# KiCad board pcb.kicad_pcb (continued)
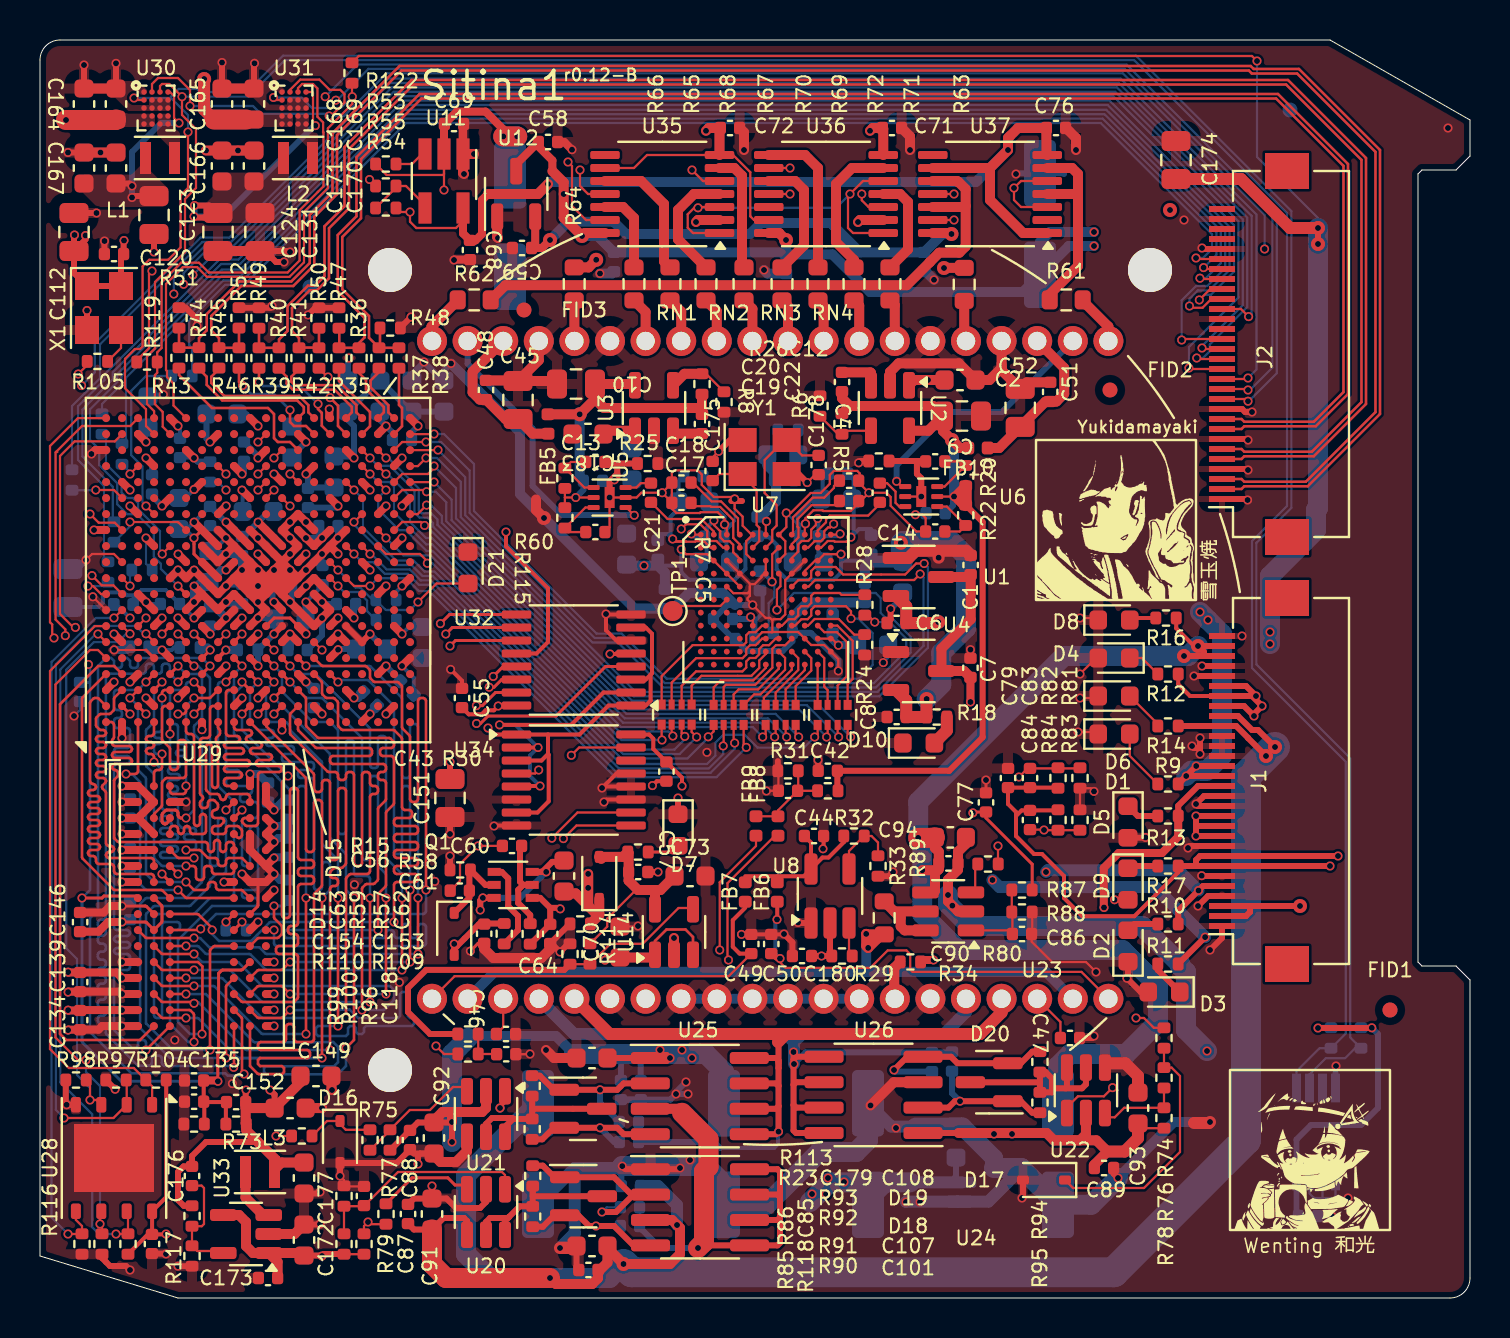
[diagram p0: board, top side]
## Routing (per net, layer and track width the routed paths; a pad name or vN(x,y) marks a point on that pad's centre or on a via; arc(x,y) is an arc through that point) (continued)
/ccd_driver_v/V2S: length 9.2
  Top w0.3: 24.61,9.46 D19.3 ; 24.61,9.46 R93.2 ; 24.61,9.46 R92.1 23.65,8.95 ; 23.25,7.85 23.25,8.55 23.65,8.95 ; 23.65,8.95 23.61,9 22.6,9 22.3,8.7 22.3,7.85
/ccd_driver_v/V23: length 9.7
  Top w0.3: D18.3 24.64,5.09 R91.2 R90.1 23.98,4.58 23.45,4.05 ; 23.45,4.05 23.4,4 22.5,4 22.3,3.8 22.3,2.95 ; 23.45,4.05 23.25,3.85 23.25,2.95
/fpga_power/VCCPLL: length 8.6
  Top w0.4: 8.1,34.4 7.7,34 v1(7.7,34)
  Bottom w0.2: 4.81,35.14 4.69,35.01 4.69,34.68 ; 4.81,35.14 4.32,35.14 4.18,35.28 3.3,35.28 3.14,35.12 3.14,34.77 2.93,34.55 C114.2 ; 4.81,35.14 5.07,35.4 6.28,35.4 C113.2 7,34.7 v1(7.7,34)
GND: length 471.3
  Top w0.1: 3.68,32.39 3.68,32.38 3.67,32.37 arc(3.7,32.39) 3.74,32.4 5.3,32.4
  Top w0.11: v3(35.63,34.65) 35.53,34.65 35.48,34.6 ; v3(35.63,34.65) 36.28,34.01 36.5,34.01 36.62,33.89 ; v3(35.63,34.65) 35.37,34.91 35.37,34.99 35.49,35.11 ; C179.1 24.49,12.19 v1(24.5,12.2) ; v1(2.64,35.06) U27.A8 ; D6.1 52.81,30 v1(52,30) ; 35.49,35.55 35.49,35.72 U7.D4 U7.C3 ; 35.49,35.55 35.49,35.35 ; 35.49,35.55 35.49,35.11 ; U7.E3 34.67,35.24 35.38,35.24 35.49,35.35 ; 36.6,33.29 36.11,33.29 35.79,32.97 U7.J5 ; 36.6,33.29 36.61,33.3 37.91,33.3 U7.J9 38.56,32.65 39.21,32.65 U7.K11 39.92,31.94 v1(39.92,31.36) ; 36.6,33.29 36.62,33.31 36.62,33.89 ; 36.62,33.89 36.67,33.94 37.02,33.94 37.26,34.18 37.26,35.9 37.59,36.22 U7.D8 37.6,36.22 38.24,36.86 U7.C9 ; v1(15,6.1) 15.2,5.9 R86.1 15.23,5.58 C85.1 ; R31.2 36.92,26.33 C43.2 36.33,25.36 v1(36.32,25.35) ; U7.C6 U7.D6 36.21,36.22 36.08,36.09 36.08,36.04 35.73,35.69 35.53,35.69 ; 35.49,35.11 35.49,35.35 ; v1(51.9,28.3) 52.81,28.3 D1.1 ; U27.B11 3.7,37.2 2.6,37.2 v1(2.3,36.9) ; v1(16.48,55.92) 16.78,55.62 R55.2 ; v1(29.9,18.6) 29.88,18.58 C70.2 ; v1(52,34) 52.81,34 D8.1 ; v1(52,31.2) 52.8,32 D4.2 ; 57.25,53.95 v1(57.2,53.9) ; R88.1 49.61,18.23 C86.1 49.58,17.82 50.6,16.8 52.3,16.8 v1(52.8,16.3) ; R83.2 R81.2 52.54,25.49 v1(52.7,25.33)
  Top w0.15: v1(4.1,19.6) 5.26,19.6 arc(5.3,19.59) 5.33,19.57 5.7,19.2 ; 5.7,32 5.3,32.4 ; C63.2 21.9,17.73 v1(21.52,17.35) ; 5.7,34.4 4.9,35.2 ; C77.1 v1(47.3,25.9) ; 10.9,20.8 10.9,19.64 arc(10.89,19.6) 10.87,19.57 10.5,19.2
  Top w0.2: C55.2 21.1,30.86 v1(20.53,31.43) ; U32.8 28.32,34.18 v1(28.3,34.2) 28.3,33.39 28.81,32.88 U32.6 ; v1(22.7,23.6) 22.72,23.62 U34.8 ; v1(35.07,18.18) C49.2 C50.2 37.18,18.18 v1(37.2,18.2) ; U34.12 28.18,25.58 v1(28.1,25.5) 28.82,26.23 U34.13 ; v1(39.15,22.46) 39.18,22.49 C44.1 ; U34.11 28.32,24.93 v1(28.2,24.8) ; v1(30.62,25.62) 30.84,25.84 C57.2
  Top w0.3: v1(57.7,31.1) J1.26 ; 26.94,1.3 26.82,1.41 26.82,2.5 ; v1(30.9,21.3) C56.1 ; D2.1 54.4,16.04 v1(54.35,15.99) 55.03,15.3 D3.2 ; v1(3.22,52.85) 3.22,52.84 C120.1 ; v1(57.9,19.6) 58.4,20.1 J1.4 ; v1(42.53,34.45) 42.53,33.93 C6.2 ; v1(32,6.5) 31.94,6.44 U24.1 29.27,6.44 v1(29.11,6.59) ; J1.14 58.2,25.1 v1(57.8,24.7) 57.9,24.6 J1.13 ; v1(1.33,9.66) 1.33,9.66 U28.4 1.33,9.66 1.29,9.7 R98.1 ; C168.2 v1(9.1,61.78) ; v1(55.28,23.03) 55.26,23.01 D5.2 ; 58,27.5 v1(58,28) ; 58,27.5 v1(58,27.2) ; 58,27.5 57.7,27.5 v1(57.6,27.6) ; J2.7 60.35,42.95 v1(60.4,42.9) ; v1(37.9,18.78) 37.93,18.75 U8.1 ; C124.2 11.25,52.35 11.8,51.8 v1(12.2,51.8) ; C123.2 v1(5.7,52.3) ; v1(53.72,19.91) D9.2 ; v1(40.93,41.76) 41.02,41.85 R26.2 ; v1(11.7,33.2) 12.1,33.6 U27.M7 ; R58.2 v1(20.5,22.1) ; C165.2 v1(3.8,61.73) ; v1(18.55,49.05) 18.02,48.52 R48.1 ; U27.K5 v1(10.9,31.6) ; C91.1 20.32,4.97 20.8,4.5 22,4.5 22.3,4.8 22.3,5.65 ; C91.1 v1(19.6,5.6) ; C91.1 18.69,4.97 C87.1 ; X1.2 v1(2.35,49.38) ; v1(14,5.3) 13.93,5.22 C177.2 ; v1(58.5,17.4) 59.1,18 J1.1 ; J2.1 60.33,39.95 v1(60.38,39.9) ; v1(52.7,13.1) 52.6,13 C47.2 ; D7.1 v1(31.9,25) ; J2.26 58.15,52.45 v1(58.1,52.5) ; C118.1 6.28,2.22 v1(6.3,2.2) ; C180.1 37.62,17.78 v1(37.2,18.2) ; v1(1.4,57.28) C167.2 v1(3.03,57.28) C166.2 ; C151.2 v1(20.5,23.2) ; v1(13.4,49.15) 13.76,49.51 13.9,49.51 ; J2.10 60.1,44.45 60.25,44.3 v1(60.6,44.3) ; J1.6 58.1,21.1 v1(58.08,21.12) ; v1(18.9,6.7) 18.9,7.12 19,7.22 C92.2 18.69,7.22 C88.2 17.83,6.75 D16.2 v1(15,6.1) ; v1(16.5,33.2) 16.1,32.8 U27.U6 U27.T7 ; v1(12.5,52.3) 12.45,52.35 C131.2 ; v1(49.1,5) 49.15,5.05 D17.2 ; C112.1 v1(2.82,54.25) ; v1(6.9,1.59) R117.1 ; C7.2 v1(46.52,32.42) ; C172.2 13.97,3.68 v1(14,3.7) ; v1(10.72,61.73) 10.7,61.71 C169.2 ; 36.89,26.84 R31.2 ; J2.4 60.35,41.45 v1(60.4,41.4) ; v1(11.6,49.6) 11.51,49.51 9.9,49.51 9.89,49.52 ; v1(53.9,6) 53.68,6.22 C89.2 ; v1(58.1,31.6) J1.27 ; C164.2 v1(2.2,61.65) ; v1(7.85,48.6) 7.85,48.95 7.28,49.52 R51.1 ; C42.2 38.91,26.89 ; J1.9 57.5,22.6 v1(57.4,22.5) ; v1(42.65,21.3) 42.44,21.09 R33.2 ; 26.6,18.7 26.49,18.7 C62.1 25.58,17.72 v1(26,17.3) 26.41,17.71 R115.1 ; R47.1 R50.1 ; v1(3.76,10.44) 3.29,10.9 R97.1 ; R100.1 3.1,2 3.5,1.6 4.3,1.6 v1(4.5,1.4)
  Top w0.4: 10.1,35.6 v1(10.9,36.4) ; 10.1,35.6 10.5,35.2 ; 10.1,35.6 9.7,36 ; v1(10.9,36.4) 10.5,36.8 ; v1(10.9,36.4) 11.3,36 ; 4.9,16.8 v1(4.1,16.8) ; 11.3,35.2 11.7,35.6 ; 11.3,35.2 10.5,35.2 ; 11.3,35.2 11.3,36 ; 11.3,35.2 v1(10.9,35.6) ; 11.3,35.2 v1(10.9,34.8) ; 11.7,35.6 v1(10.9,35.6) ; 11.7,35.6 12.1,35.2 ; 11.7,35.6 12.5,35.6 ; 11.7,35.6 12.1,36 ; 10.5,35.2 10.5,36.8 ; 10.5,35.2 v1(10.9,34.8) ; 10.5,35.2 v1(10.9,35.6) ; 10.5,36.8 v1(10.1,36.4) ; 10.5,36.8 9.7,37.6 ; v1(7.7,40.43) 7.72,40.43 8.1,40.8 ; 11.3,36 12.1,36 ; 11.3,36 9.7,36 ; 11.3,36 v1(10.9,35.6) ; 11.3,36 v1(11.7,36.4) ; 12.1,36 v1(12.5,36.4) ; 12.1,36 v1(11.7,36.4) ; 12.1,36 12.1,35.2 ; 12.1,36 12.9,36 ; 4.9,35.2 v1(5.3,34.8) U27.D8 ; U29.T1 3.1,13.6 2.92,13.42 C134.2 1.42,13.42 v1(1.4,13.4) ; 18.5,32 v1(18.1,31.6) ; 7.3,30.4 v1(6.9,30) ; 12.1,28.8 v1(12.1,28.4) ; 14.5,37.6 v1(13.3,36.4) 12.9,36 ; 14.5,37.6 v1(14.9,37.2) ; 14.5,37.6 v1(14.9,38) 15.3,38.4 ; v1(10.1,40.4) 10.1,40.4 10.5,40 ; 9.7,36 v1(9.3,35.6) 8.9,35.2 8.1,36 ; 9.7,36 v1(10.1,36.4) ; v1(10.9,35.6) v1(10.1,36.4) ; 12.1,36.8 v1(12.5,36.4) ; 12.1,36.8 v1(12.5,37.2) 12.9,37.6 v1(12.5,38) 12.1,38.4 v1(12.5,38.8) 12.9,39.2 v1(13.3,38.8) 13.7,38.4 ; 12.1,36.8 v1(10.9,38) 10.5,38.4 ; 12.1,36.8 v1(11.7,36.4) ; v1(12.5,36.4) 12.9,36 ; v1(12.5,36.4) v1(11.7,36.4) ; v1(12.5,36.4) 12.5,35.6 ; 6.5,36 v1(6.9,36.4) U27.F10 v1(7.7,36.4) U27.G10 ; 12.5,35.6 12.9,36 ; 12.5,35.6 12.1,35.2 ; 12.1,35.2 v1(12.5,34.8) 13.7,33.6 14.5,34.4 v1(14.1,34.8) 13.7,35.2 ; 3.3,42.4 2.77,42.4 v1(2.57,42.2) ; 9.7,37.6 v1(9.3,37.2) 8.9,36.8 8.1,37.6 ; 9.7,37.6 v1(9.3,38) 8.9,38.4 ; 11.3,42.4 v1(10.9,42) ; 16.9,35.2 v1(17.3,35.6) ; U11.1 21.15,58.67 C69.2 ; 11.3,13.6 v1(11.7,13.6) ; C146.2 3.18,19.28 3.51,19.6 v1(4.1,19.6) ; v1(1.4,15.3) 1.42,15.32 C139.2 3.98,15.32 v1(4.1,15.2) 4.9,15.2 ; 11.3,21.6 10.5,22.4 10.5,23.2 ; 11.3,21.6 v1(11.7,22) ; 11.3,21.6 v1(11.7,21.2) 11.3,20.8 10.5,20.8 v1(10.1,21.2) ; 8.9,33.6 v1(9.3,34) 9.7,34.4 ; 5.7,41.6 v1(5.3,42) ; v1(10.9,34.8) 11.3,34.4 v1(10.9,34) 10.5,33.6 ; 12.9,31.2 v1(13.3,30.8) ; 11.3,16.8 v1(11.7,16.8) ; 16.9,43.2 v1(17.3,43.6) ; 8.9,43.2 v1(8.5,42.8) ; 9.7,29.6 v1(10.1,30) ; 15.3,30.4 v1(15.7,30) ; 11.3,15.2 v1(11.7,15.2) ; v1(26.6,57.42) 26.22,57.8 C58.2 ; v1(20.7,51.9) 20.72,51.92 C68.2 ; 4.9,31.2 v1(4.5,30.8) ; 6.5,44 v1(6.9,43.6) ; 4.1,28.8 v1(4.1,28) ; 14.5,44 14.46,44.04 v1(14.46,44.45) ; 4.9,24.8 4.11,24.8 v1(4.1,24.8) ; 13.7,41.6 v1(13.3,41.2) ; 5.7,22.4 v1(4.1,22.4) ; 16.1,40.8 v1(16.5,40.4) ; 11.3,25.6 11.3,24.8 v1(11.7,24.4) ; 6.5,24.8 v1(7.3,24.8) ; 18.5,40 v1(18.1,39.6) ; 4.9,20.8 v1(4.1,20.8) ; v1(4.1,23.2) 4.9,23.2 ; 4.9,39.2 v1(4.5,39.6) ; 17.7,37.6 v1(18.1,38) ; 17.7,29.6 v1(17.3,29.2) ; 7.3,33.6 v1(6.9,34)
  Top w0.5: 48.08,46.7 48.08,46.5 ; 48.08,46.5 47.48,45.9 C2.2 45.94,46.73 42.94,46.73 42.5,46.3 U2.2 ; 48.08,46.5 48.08,46.38 C52.2 49.34,45.78 C51.2 ; 48.08,46.5 U10.17 ; v1(51.8,57.4) 51.8,58 51.3,58.5 C76.1 ; v1(35.2,57.4) 35.2,58.28 C72.1 ; C164.2 C165.2 ; v1(21.7,57.2) U11.1 21.15,56.25 v1(21.2,56.2) ; C152.2 14.1,9.5 v1(14.1,9.5) ; v1(41.53,9.63) 42.69,10.79 U26.3 ; C62.1 25.51,17.44 25.06,17 22.66,17 22.21,17.46 C63.2 ; C149.2 14.57,10.43 v1(14.6,10.4) ; v1(8.3,57.38) C171.2 v1(9.9,57.38) C170.2 ; U14.2 v1(31.7,18) ; C124.2 C131.2 ; C45.2 23.87,45.88 C48.2 ; C45.2 25.7,45.85 C10.2 ; C45.2 24.94,46.89 U10.4 ; C108.2 25.7,12 v1(25.3,12.4) ; U12.1 22.86,53.04 v1(22.9,53) ; 21.35,7.85 21.35,7.35 20.8,6.8 20.03,6.8 19.6,7.22 ; C168.2 C169.2 ; C71.1 43.5,58.08 v1(43.5,57.4) ; U33.2 12.72,3.2 C172.2 ; v2(25.2,39) 24.8,39.4 24.8,39.93 ; C166.2 C167.2
  Top w0.6: 44.93,37.36 v1(44.93,37.02) ; 44.93,37.36 43.78,37.36 43.42,37 U1.1 ; 44.93,37.36 46.3,37.36 C1.2 ; v1(26,2.5) 26.82,2.5 ; 57.7,8.75 58.45,8.75 v1(58.5,8.8) ; C93.2 54.9,11.1 54.27,11.73 53.25,11.73
  In1.Cu w0.5: v1(35.07,18.18) 35.62,17.64 U10.31
  In1.Cu w1: U10.28 40.91,14.91
  Bottom w0.11: 64.2,5 64.12,5 U9.6 ; 64.2,5 64.8,5 ; 64.2,5 63.7,5 63.47,5.22 U9.7 ; U9.5 64.78,5.03 64.8,5 ; 64.8,5 v1(65.4,5) ; C181.1 v1(64.6,4.1) ; C35.1 42.41,32.01 v1(42.16,31.77) ; v1(1.7,29.1) 2,29.4 C141.2
  Bottom w0.2: C125.2 8.68,38.62 v1(9.3,38) 8.65,37.35 C129.2 ; C128.2 7.28,40 v1(7.7,40.43) ; v1(11.7,33.2) 11.72,33.23 C121.2 10.95,33.95 v1(10.9,34) ; C145.2 18.69,31.01 v1(18.1,31.6) 18.5,32 C163.2 ; v1(10.1,40.4) 10.13,40.37 C122.2 ; v1(6.17,45.17) 5.49,45.17 C160.2 ; C158.2 7,43.5 v1(6.9,43.6) ; v1(5.3,34.8) 5.4,34.7 C113.1 ; 14.12,36.62 14.12,37.18 v1(14.1,37.2)
  Bottom w0.3: v1(14.1,34) 14.1,33.14 C110.1 ; v1(64.8,11.6) 64.78,11.58 U9.4 ; v1(48.8,56.2) 48.84,56.24 C53.2 51.16,56.24 51.2,56.2 ; C119.2 v1(14.9,38) ; v1(10.9,31.6) 10.89,31.61 R107.1 10.91,32.41 v1(11.7,33.2) ; v1(31.8,10.2) 31.52,9.92 C105.2 C102.1 ; v1(31.8,10.2) 31.8,10.3 v1(32.3,10.8) ; v1(31.8,10.2) v1(32.4,10.2) ; v3(35.63,34.65) 34.75,34.65 34.74,34.65 34.38,34.65 C33.1 34.67,32.95 C27.1 35.36,32.35 37.13,32.35 37.62,32.84 C28.1 38.54,33.25 39.92,31.88 v1(39.92,31.36) ; C114.1 1.85,36.45 v1(2.3,36.9) ; C184.2 17,43.9 v1(17.3,43.6) 17.62,43.28 C156.2 ; C148.2 17.25,32.45 v1(16.5,33.2) ; v1(29.11,6.59) 29.07,6.55 C104.1 ; v1(20.55,46.73) 20.2,46.38 C133.2 20.12,45.88 v1(19.2,46.8) 18.6,46.2 C132.2 ; v1(10.9,42) 10.9,42.1 C159.2 ; v1(14.1,34.8) 14.2,34.7 C162.2 ; C111.1 8.32,42.98 v1(8.5,42.8) ; C161.2 5.6,41.7 v1(5.3,42) ; C30.1 43.13,35.05 v1(42.53,34.45) ; v1(9.3,35.6) 9.38,35.68 C126.2 ; v1(13.3,41.2) 13.4,41.1 C155.2 13.44,40.53 C130.2 ; C185.2 15.4,46.95 v1(15.45,47) ; C127.2 12.58,34.88 v1(12.5,34.8)
  Bottom w0.4: R111.1 12,20.9 v1(11.7,21.2) ; 8.5,34.58 8.72,34.58 v1(9.3,34) ; C140.2 11.7,24.5 v1(11.7,24.4) 12.2,24.9 C147.2 ; 39.66,34.77 39.63,34.75 C34.1 ; v1(13.3,30.8) 13.7,30.4 ; v1(3.7,32.41) 4.32,32.41 C138.2 ; C126.2 10.1,35.68 v1(10.1,36.4) 10.1,37.11 C116.2 10.02,37.2 v1(9.3,37.2) 8.6,37.2 C129.2 ; v1(15.7,30) 15.91,30 16.17,30.25 ; C137.2 11.74,22.04 v1(11.7,22)
  Bottom w0.5: 34.74,34.65 34.14,35.25 32.44,35.25 31.66,34.47 C32.1 29.73,34.47 v2(25.2,39) 24,40.2 24,43.3 22.31,44.98 22.29,44.98 v1(20.55,46.73) ; v1(36.2,51.4) 36.38,51.22 C67.2 ; v1(28,51.22) 28.6,51.22 C66.2 ; v1(53.9,6) 56.7,8.8 v1(58.5,8.8) ; v1(44.7,50.91) 44.29,51.32 C65.2 ; C31.1 38.36,34.77 37.62,34.03 C28.1 ; U10.28 U10.33
  Bottom w0.6: 45.9,4.82 C106.2 47.42,4.82 49.08,6.48 ; 45.9,4.82 C103.1 ; 45.9,4.82 43.32,4.82 v1(43.3,4.8) ; v1(26,2.5) 26.74,3.24 26.74,6.5 ; 26.74,6.5 C81.2 ; 26.74,6.5 30.2,6.5 ; C78.1 42.56,8.58 C109.2 ; 30.2,6.5 v1(32,6.5) ; 30.2,6.5 30.22,6.48
  Bottom w0.9: 47.7,6.5 47.7,7 46.12,8.58 43.8,8.58
  Bottom w1: v1(53.9,6) 52.56,4.66 C82.2 49.06,6.5 47.7,6.5 ; v1(29.11,6.59) 29.12,6.6 33.3,6.6 34.2,5.7 C80.1 36.32,4.66 38.98,7.32 39,7.3 40.8,7.3 41.4,7.9 C78.1 ; 23.81,51.77 23.86,51.82
  vias: v1(4.1,13.6) v1(6.74,12.9) v1(9.62,10.72) v1(15.72,20.67) v1(17.97,15.78) v1(19.74,20.83) v1(32.5,6.9) v1(33.35,27.28) v1(38.9,26.9) v1(42.8,8.5) v1(44,4.8) v1(60.1,33.1) v1(70.4,58.5)
V1_CCD: length 44.3
  Top w0.3: U26.7 37.8,9.52 37.68,9.65 ; 37.68,9.65 37.68,8.38 37.8,8.25 U26.8 ; 37.68,9.65 37.68,10.66 ; 37.68,10.66 37.68,11.56 ; 37.68,10.66 37.8,10.79 U26.6 ; 37.68,11.56 v1(37.68,12.3) ; 37.68,11.56 37.68,11.93 37.8,12.06 U26.5
  Bottom w0.3: v1(37.7,11.7) 38.28,12.28 C99.1 45.58,12.28 C100.2
  Bottom w0.6: 37.7,12.8 37.3,13.2 37.2,13.2 ; 37.7,12.8 38.1,13.2 ; 37.7,12.8 v1(37.7,11.7) ; U10.25 46.3,14.3 45.21,13.2 38.1,13.2 ; 37.2,13.2 26.7,13.2 U10.37 ; 37.2,13.2 38.1,13.2
V2_CCD: length 45.1
  Top w0.3: 35.4,8.19 36.8,8.19 v1(36.93,8.32) 36.93,9.59 ; 36.9,12.8 36.93,12.77 36.93,11.5 ; 36.93,11.5 36.93,10.6 ; 36.93,11.5 36.93,11.87 36.8,12 35.4,12 ; 36.93,9.59 36.8,9.46 35.4,9.46 ; 36.93,9.59 36.93,10.6 ; 36.93,10.6 36.8,10.73 35.4,10.73
  Top w0.6: 38.2,13.2 47,13.2 48.08,14.28 U10.24 ; 38.2,13.2 28.48,13.2 U10.36 ; 38.2,13.2 37.3,13.2 36.9,12.8
  Bottom w0.11: 30.12,8.8 29.7,8.8
  Bottom w0.2: v1(36.93,8.32) 36.9,8.29 36.9,7.7 36.7,7.5 34,7.5
  Bottom w0.3: C98.2 C97.1 33.7,7.8 34,7.5
+DRAM_VREF: length 57.3
  Top w0.11: U27.P6 v1(14.1,32.4) ; v1(9.3,33.2) 8.9,32.8 U27.H6
  Top w0.15: 4.9,20 4.8,20.1 3.2,20.1 3.1,20 v1(2.1,20) ; 10.5,16.8 10.13,16.43 arc(10.1,16.41) 10.06,16.4 9.14,16.4 arc(9.1,16.39) 9.07,16.37 8.93,16.23 8.93,12.21 8.89,12.17 8.89,10.84 v1(8.89,10.84)
  Top w0.2: R110.1 8.21,9.79 C154.1 ; R109.2 9.29,9.77 C153.2 8.2,9.8 C154.1 ; C154.1 C135.1
  Top w0.4: C135.1 8.85,10.88 v1(8.89,10.84)
  In2.Cu w0.11: v1(14.1,32.4) 13.71,32.01 9.88,32.01 9.69,32.19
  In2.Cu w0.127: v1(9.3,33.2) 9.69,32.81 9.69,32.19 9.5,32 4.3,32 4.1,31.8
  In2.Cu w0.15: v1(2.42,31.68) 2.5,31.6 3.88,31.6 arc(3.91,31.61) 3.93,31.63 4.1,31.8
  Bottom w0.127: 2.5,30.8 2.5,20.4 v1(2.1,20) ; 2.5,30.8 2.5,31.6 v1(2.42,31.68) ; 2.5,30.8 2.48,30.78 C141.1 2.38,30.78
  Bottom w0.15: 4.07,10.83 2.13,12.77 arc(2.11,12.8) 2.1,12.84 v1(2.1,20) ; v1(8.89,10.84) 4.08,10.84
+VAB: length 11.6
  Top w0.11: R114.2 28.36,18.57 28.36,18.97 29.79,20.4 29.9,20.4
  Top w0.15: C56.2 29.39,21.34 R15.2
  Top w0.5: U14.5 30.75,20.35 30.7,20.4 ; 30.7,20.4 29.9,20.4 29.43,20.87 C56.2 29.43,22.26 R15.2 29.14,22.05 D15.2 28.06,21.96 ; 30.7,20.4 31.03,20.4 C73.1
/afe/CLI: length 5.8
  Top w0.11: 35.03,41.2 35.83,40.4 35.83,38.65 35.96,38.52 35.96,37.84 U7.B5 ; Y1.1 33.96,41.2 C175.2
/afe/CSI_D2_pre: length 7.9
  Top w0.11: U7.H6 36.1,33.62 35.77,33.29 35.46,33.29 35.31,33.14 35.31,32.79 35.17,32.64 32.63,32.64 31.08,31.09 RN1.8
/afe/CSI_D3_pre: length 6.9
  Top w0.11: U7.J6 36.11,32.97 35.79,32.64 35.5,32.64 35.31,32.45 35.31,32.18 35.13,31.99 32.8,31.99 31.58,30.77 RN1.7
/afe/CSI_D4_pre: length 5.6
  Top w0.11: U7.K6 36.29,32.2 35.96,31.88 35.96,31.5 35.57,31.11 33.07,31.11 32.58,30.62 RN1.5
/afe/CSI_D5_pre: length 4
  Top w0.11: RN2.8 33.68,30.53 34.03,30.88 35.66,30.88 36.29,31.51 U7.L6
/afe/CSI_D6_pre: length 3.7
  Top w0.11: RN2.6 34.68,30.18 34.93,30.43 35.91,30.43 36.94,31.46 U7.L7 36.94,31.48
/afe/CSI_D7_pre: length 3.8
  Top w0.11: U7.K7 37.25,32 37.25,31.41 36.02,30.18 35.71,30.18 RN2.5
/afe/CSI_D8_pre: length 7.1
  Top w0.11: RN1.6 32.08,30.61 32.8,31.33 35.12,31.33 35.31,31.52 35.31,31.83 35.48,32 35.77,32 35.96,32.19 35.96,32.45 36.15,32.64 36.45,32.64 36.78,32.97 U7.J7
/afe/CSI_D9_pre: length 5.3
  Top w0.11: 41.13,35.15 40.08,35.15 39.99,35.25 38.7,35.25 38.56,35.12 38.56,34.75 38.4,34.59 38.06,34.59 37.91,34.44 37.91,34.13 37.72,33.94 37.42,33.94 37.1,33.62 U7.H7
/afe/CSI_D10_pre: length 2.6
  Top w0.11: RN3.8 36.19,29.75 36.19,30.02 37.59,31.42 U7.L8
/afe/CSI_D11_pre: length 3.3
  Top w0.11: U7.K8 37.91,32 37.91,31.4 36.78,30.27 RN3.7
/afe/CSI_D12_pre: length 5.9
  Top w0.11: RN2.7 34.18,30.55 34.29,30.66 35.76,30.66 36.62,31.52 36.62,32.47 36.79,32.64 37.26,32.64 U7.J8
/afe/CSI_D13_pre: length 2.5
  Top w0.11: 38.24,31.59 U7.L9 38.24,31.39 37.28,30.44 RN3.6
/afe/CSI_D14_pre: length 3.1
  Top w0.11: RN3.5 37.78,30.59 38.56,31.37 38.56,32 U7.K9
/afe/CSI_D15_pre: length 2.9
  Top w0.11: RN4.7 39.38,30.39 39.21,30.56 39.21,32 U7.K10
/afe/CSI_DCLK_pre: length 2
  Top w0.11: RN4.8 38.88,31.59 38.89,31.6 U7.L10
/afe/CSI_HD_pre: length 4.7
  Top w0.11: U7.H11 39.87,33.62 40.63,32.86 40.63,30.95 40.38,30.7 RN4.5
/afe/CSI_VD_pre: length 5.1
  Top w0.11: RN4.6 39.88,30.62 40.33,31.08 40.33,32.81 39.85,33.29 39.22,33.29 U7.H10
/ccd/VOD: length 7.7
  Top w0.2: C44.2 38.55,22.77 U8.5 ; U8.5 39.12,22.03 39.43,22.03 40.19,22.79 R32.1 ; U8.5 38.19,21.09 35.26,21.09
/ccd/VOGL: length 20.2
  Top w0.11: U10.40 20.73,16.09 34.43,16.09 C49.1
  Top w0.2: C49.1 34.98,17.22 34.64,17.56 34.64,18.89 35.26,19.51
/ccd/VOGR: length 22.2
  Top w0.11: U10.21 52.07,16.3 43.63,16.3 43.51,16.42 43.51,17.19 43.32,17.38 42.38,17.38 41.51,16.5 37.28,16.5 C50.1
  Top w0.2: C50.1 36.81,16.97 v1(37,16.97) ; v1(36.85,18.93) 36.86,18.94 36.86,19.51
  Bottom w0.2: v1(37,16.97) 36.76,17.21 36.76,18.84 v1(36.85,18.93)
/ccd/VRDL: length 20.2
  Top w0.11: v1(33.99,17.4) 33.99,20.79 35.8,22.6 FB9.2 ; C46.1 23.16,13.54 U10.38
  In2.Cu w0.11: v1(33.99,17.4) 32.89,16.3 31.29,16.3
  In2.Cu w0.13: U10.38 24.5,16.3 31.29,16.3
/ccd/VRDR: length 26.6
  Top w0.11: FB8.2 36.75,23.12 34.38,20.74 34.38,16.95 v1(34.43,16.9) ; C47.1 51.02,13.8 U10.23
  In2.Cu w0.13: v1(34.43,16.9) 34.92,16.4 49.31,16.4 49.86,15.85 U10.23
/ccd_driver/H1BINL: length 8.4
  Top w0.3: 32.88,53.88 v1(32.8,53.8)
  Top w0.5: v2(27.81,51.91) 27.43,51.53 R64.1 ; v1(32.8,53.8) 32.9,53.9 U35.2
  In2.Cu w0.5: v2(27.81,51.91) 29.7,53.8 v1(32.8,53.8)
/ccd_driver/H1BINR: length 7.9
  Top w0.5: U36.2 41,53.9 v1(40.9,53.8) ; R63.1 45.2,51.5 v2(45.2,51.5)
  In2.Cu w0.5: v2(45.2,51.5) 45.2,52.1 43.5,53.8 v1(40.9,53.8)
/ccd_driver/H1BL: length 5.9
  Top w0.5: U35.4 32.7,55.2 31.9,54.4 31.9,52.93 R68.1
/ccd_driver/H1BR: length 7.7
  Top w0.5: R69.1 38.9,56.5 38.25,57.15 U36.8
/ccd_driver/H1BRS: length 50.7
  Top w0.11: U34.4 24.76,26.23 v1(24.94,26.4) ; U36.9 v1(37.5,56.5)
  In2.Cu w0.11: 37.2,56.5 36.7,56.5 30.4,50.2 20.3,50.2 19.75,49.65 19.7,49.65 17.98,47.92 17.98,46.86 18.7,46.14 19.54,46.14 23.69,41.99 23.69,32.99 23.37,32.67 23.37,27.97 v1(24.94,26.4) ; 37.2,56.5 v1(37.5,56.5) ; 37.2,56.5 37.37,56.5 37.39,56.52
/ccd_driver/H1S: length 79.7
  Top w0.11: v1(27,56.4) 27,55.6 27.4,55.2 U35.11 ; U36.5 41.15,55.85 v1(40.5,55.2) 40.4,55.1 40.4,53.5 40.65,53.25 U36.1 ; U35.3 32.9,54.55 ; 32.9,54.55 32.75,54.55 32.38,54.19 32.38,53.52 32.65,53.25 U35.1 ; 32.9,54.55 v1(32.9,54.51)
  Top w0.15: U32.15 22.78,30.28 22.12,29.62 v1(21.82,29.62)
  In2.Cu w0.11: v1(21.82,29.62) 21.61,29.83 21.61,42.2 19.19,44.62 17.19,44.62 16.3,45.51 16.3,47.51 14.02,49.79 14.02,52.76 17.26,56 20.85,56 21.04,55.81 21.36,55.81 21.55,56 23.5,56 23.9,56.4 v1(27,56.4) 31.8,56.4 32.2,56 35.1,56 36.38,57.28 39.02,57.28 40.5,55.8 v1(40.5,55.2)
  Bottom w0.11: v1(40.5,55.2) 39.81,54.51 v1(32.9,54.51)
/ccd_driver/H1SL: length 6.7
  Top w0.5: R65.1 31.2,51.83 31.2,54.7 30.05,55.85 U35.10
/ccd_driver/H1SR: length 7.2
  Top w0.5: U36.6 40.6,56.5 39.8,55.7 39.8,52.8 40.7,51.9 R72.1
/ccd_driver/H2BL: length 5.9
  Top w0.5: R67.1 35.1,51.63 35.1,56.12 34.72,56.5 U35.6
/ccd_driver/H2BR: length 6.3
  Top w0.5: U36.10 37.75,55.85 38.2,55.4 38.2,52.63 R70.1
/ccd_driver/H2BRS: length 52.4
  Top w0.11: v1(26.56,27.14) 26.96,27.53 U34.15 ; U36.11 v1(37.5,55.2)
  In2.Cu w0.11: v1(37.5,55.2) 35.9,55.2 30.68,49.98 20.39,49.98 19.84,49.43 19.79,49.43 18.4,48.04 18.4,46.9 18.94,46.36 19.63,46.36 23.19,42.8 23.2,42.8 23.91,42.09 23.91,32.9 23.59,32.58 23.59,28.06 24.51,27.14 v1(26.56,27.14)
/ccd_driver/H2S: length 76.4
  Top w0.11: v1(41.09,55.2) 41.09,54.89 41.43,54.55 U36.3 ; U35.5 33.15,55.85 v1(32.6,56.4) ; v1(26.4,56.8) 26.6,56.6 26.6,54.6 27.3,53.9 U35.13
  Top w0.15: U32.4 28.28,31.58 25.8,29.1 22.4,29.1 22.03,28.73 v1(21.83,28.73)
  In2.Cu w0.11: v1(41.09,55.2) 41.09,56.01 39.6,57.5 36.1,57.5 35,56.4 v1(32.6,56.4) 32.2,56.8 v1(26.4,56.8) 16.8,56.8 13.8,53.8 13.8,49.7 16.08,47.42 16.08,45.42 17.1,44.4 19.1,44.4 21.39,42.11 21.39,29.16 v1(21.83,28.73)
/ccd_driver/H2SL: length 4.1
  Top w0.5: U35.12 29.15,54.55 29.7,54 R66.1
/ccd_driver/H2SR: length 5
  Top w0.5: U36.4 43,55.2 43.4,54.8 43.4,52.43 R71.1
/ccd_driver/RGS: length 72.4
  Top w0.11: U37.5 49.05,55.85 v1(48.7,55.5) 48.7,54.9 49.05,54.55 U37.3 ; U37.13 v1(45.7,53.9) ; U37.11 v1(45.7,55.2)
  Top w0.15: U32.14 23.09,30.93 22.7,30.54 v1(22.46,30.54)
  In2.Cu w0.11: 45.7,54.6 40.5,54.6 38.21,56.89 36.59,56.89 34.6,54.9 27.8,54.9 27.6,54.7 26,54.7 25.92,54.78 16.98,54.78 14.68,52.48 14.68,50.06 16.96,47.78 16.96,45.94 17.48,45.42 19.32,45.42 22.27,42.47 22.27,30.73 v1(22.46,30.54) ; 45.7,54.6 v1(45.7,55.2) 48.4,55.2 v1(48.7,55.5) ; 45.7,54.6 v1(45.7,53.9)
/ccd_driver/RL: length 31.2
  Top w0.5: 46.28,54.6 46.24,54.55 U37.12 ; 46.28,54.6 46.28,55.44 45.93,55.8 45.9,55.8 45.85,55.85 U37.10 ; 46.28,54.6 46.28,52.59 45.96,52.26 44.96,52.26 44.49,51.79 44.49,51.79 43.34,50.64 23.27,50.64 R62.1
/ccd_driver/RR: length 10.1
  Top w0.5: R61.1 50.48,50.18 51.9,51.6 51.9,55.2 ; U37.6 51.6,56.5 51.9,56.2 51.9,55.2 ; 51.9,55.2 U37.4
/fpga_config/FPGA_DONE: length 8.4
  Top w0.1: 14.5,36.8 v1(14.9,36.4)
  Top w0.11: v1(18.9,34.8) 19.82,35.73 D21.2
  Bottom w0.11: v1(14.9,36.4) 15.78,35.52 16.02,35.52 16.64,34.9 R101.2 17.29,34.4 18.5,34.4 v1(18.9,34.8)
/fpga_config/INIT_B: length 3.5
  Top w0.1: 14.5,36 v1(14.9,35.6)
  Bottom w0.11: R102.2 16.35,34.34 16.35,34.87 15.93,35.3 15.2,35.3 v1(14.9,35.6)
/fpga_config/PROG_B: length 17
  Top w0.11: U27.L6 v1(11.7,32.4)
  In2.Cu w0.11: v1(9.3,40.4) 10.49,39.21 13.44,39.21 13.7,38.95 13.7,35.8 15.3,34.2 15.3,33.01 15.09,32.81 12.11,32.81 v1(11.7,32.4)
  Bottom w0.11: R103.2 8.9,40.8 v1(9.3,40.4)
/fpga_config/PS_CLK: length 17.2
  Top w0.11: v1(1.91,46.2) 2.36,46.65 R105.2
  Top w0.15: 6.5,33.6 v1(6.1,33.2)
  In2.Cu w0.11: v1(1.91,46.2) 1.66,45.95 1.66,38.55 3.1,37.11 3.1,35.2 4.1,34.2 4.1,33.75 4.24,33.61 5.69,33.61 v1(6.1,33.2)
/fpga_ddr/DRAM_ADDR0: length 39.4
  Top w0.127: 6.5,16 v1(7.3,16) ; 12.9,29.6 12.53,29.23 arc(12.51,29.2) 12.5,29.16 12.5,28.24 arc(12.51,28.2) 12.53,28.17 14.37,26.33 arc(14.4,26.31) 14.44,26.3 14.76,26.3 arc(14.8,26.29) 14.83,26.27 14.87,26.23 arc(14.89,26.2) 14.9,26.16 14.9,26.04 arc(14.91,26) 14.93,25.97 14.97,25.93 arc(15,25.91) 15.04,25.9 15.16,25.9 arc(15.2,25.91) 15.23,25.93 15.27,25.97 arc(15.29,26) 15.3,26.04 15.3,26.16 arc(15.31,26.2) 15.33,26.23 15.37,26.27 arc(15.4,26.29) 15.44,26.3 15.56,26.3 arc(15.6,26.29) 15.63,26.27 15.67,26.23 arc(15.69,26.2) 15.7,26.16 15.7,21.74 arc(15.71,21.7) 15.73,21.67 15.77,21.63 arc(15.8,21.61) 15.84,21.6 15.96,21.6 arc(16,21.61) 16.03,21.63 16.07,21.67 arc(16.09,21.7) 16.1,21.74 16.1,26.16 arc(16.11,26.2) 16.13,26.23 16.17,26.27 arc(16.2,26.29) 16.24,26.3 16.36,26.3 arc(16.4,26.29) 16.43,26.27 16.47,26.23 arc(16.49,26.2) 16.5,26.16 16.5,25.74 arc(16.51,25.7) 16.53,25.67 16.57,25.63 arc(16.6,25.61) 16.64,25.6 16.76,25.6 arc(16.8,25.59) 16.83,25.57 16.87,25.53 arc(16.89,25.5) 16.9,25.46 16.9,25.34 arc(16.89,25.3) 16.87,25.27 16.83,25.23 arc(16.8,25.21) 16.76,25.2 16.64,25.2 arc(16.6,25.19) 16.57,25.17 16.53,25.13 arc(16.51,25.1) 16.5,25.06 16.5,21.34 arc(16.49,21.3) 16.47,21.27 16.43,21.23 arc(16.4,21.21) 16.36,21.2 15.54,21.2 arc(15.5,21.19) 15.47,21.17 15.33,21.03 arc(15.31,21) 15.3,20.96 v1(15.3,14)
  Bottom w0.127: v1(15.3,14) 11.14,14 arc(11.1,14.01) 11.07,14.03 9.13,15.97 arc(9.1,15.99) 9.06,16 v1(7.3,16)
/fpga_ddr/DRAM_ADDR1: length 38.1
  Top w0.127: v1(12.4,26.1) 12.13,25.83 arc(12.11,25.8) 12.1,25.76 12.1,19.14 arc(12.11,19.1) 12.13,19.07 12.17,19.03 arc(12.2,19.01) 12.24,19 12.36,19 arc(12.4,19.01) 12.43,19.03 12.47,19.07 arc(12.49,19.1) 12.5,19.14 12.5,25.36 arc(12.51,25.4) 12.53,25.43 12.57,25.47 arc(12.6,25.49) 12.64,25.5 12.76,25.5 arc(12.8,25.49) 12.83,25.47 12.87,25.43 arc(12.89,25.4) 12.9,25.36 12.9,22.04 arc(12.91,22) 12.93,21.97 12.97,21.93 arc(13,21.91) 13.04,21.9 13.56,21.9 arc(13.6,21.89) 13.63,21.87 13.67,21.83 arc(13.69,21.8) 13.7,21.76 13.7,21.64 arc(13.69,21.6) 13.67,21.57 13.63,21.53 arc(13.6,21.51) 13.56,21.5 13.04,21.5 arc(13,21.49) 12.97,21.47 12.93,21.43 arc(12.91,21.4) 12.9,21.36 12.9,21.24 arc(12.91,21.2) 12.93,21.17 12.97,21.13 arc(13,21.11) 13.04,21.1 13.56,21.1 arc(13.6,21.09) 13.63,21.07 13.67,21.03 arc(13.69,21) 13.7,20.96 13.7,20.84 arc(13.69,20.8) 13.67,20.77 13.63,20.73 arc(13.6,20.71) 13.56,20.7 13.04,20.7 arc(13,20.69) 12.97,20.67 12.93,20.63 arc(12.91,20.6) 12.9,20.56 12.9,18.74 arc(12.89,18.7) 12.87,18.67 12.83,18.63 arc(12.8,18.61) 12.76,18.6 12.54,18.6 arc(12.5,18.59) 12.47,18.57 12.43,18.53 arc(12.41,18.5) 12.4,18.46 12.4,18.34 arc(12.41,18.3) 12.43,18.27 12.47,18.23 arc(12.5,18.21) 12.54,18.2 12.76,18.2 arc(12.8,18.19) 12.83,18.17 12.87,18.13 arc(12.89,18.1) 12.9,18.06 12.9,17.74 arc(12.89,17.7) 12.87,17.67 12.83,17.63 arc(12.8,17.61) 12.76,17.6 11.94,17.6 arc(11.9,17.59) 11.87,17.57 11.83,17.53 arc(11.81,17.5) 11.8,17.46 11.8,17.34 arc(11.81,17.3) 11.83,17.27 11.87,17.23 arc(11.9,17.21) 11.94,17.2 12.76,17.2 arc(12.8,17.19) 12.83,17.17 12.87,17.13 arc(12.89,17.1) 12.9,17.06 12.9,15.04 arc(12.89,15) 12.87,14.97 12.73,14.83 arc(12.7,14.81) 12.66,14.8 10.14,14.8 arc(10.1,14.81) 10.07,14.83 9.7,15.2
  Top w0.15: 10.5,29.6 v1(10.1,29.2)
  Bottom w0.127: v1(12.4,26.1) 10.13,28.37 arc(10.11,28.4) 10.1,28.44 v1(10.1,29.2)
/fpga_ddr/DRAM_ADDR2: length 39.4
  Top w0.127: v1(15.7,20) 15.7,12.9 v1(15.3,12.5) ; 6.5,15.2 v1(7.3,15.2)
  Top w0.15: 12.1,30.4 v1(11.7,30)
  Bottom w0.127: v1(15.3,12.5) 15.3,11.6 14.9,11.2 14.9,11.18 11.32,11.18 11.2,11.3 11.2,11.5 11.28,11.58 14.7,11.58 14.9,11.78 14.9,12.56 14.67,12.8 14.11,12.8 14.1,12.78 10.75,12.78 arc(10.71,12.79) 10.68,12.81 8.29,15.2 7.32,15.2 7.3,15.18 ; v1(11.7,30) 14.47,27.23 arc(14.49,27.2) 14.5,27.16 14.5,23.04 arc(14.51,23) 14.53,22.97 15.27,22.23 arc(15.29,22.2) 15.3,22.16 15.3,20.4 v1(15.7,20)
/fpga_ddr/DRAM_ADDR3: length 29.2
  Top w0.127: v1(7.7,15.6) 6.14,15.6 arc(6.1,15.61) 6.07,15.63 5.7,16 ; v1(13.3,13.2) v1(13.3,20)
  Top w0.15: 10.5,30.4 v1(10.1,30.8)
  Bottom w0.127: v1(13.3,20) 13.3,25.46 arc(13.29,25.5) 13.27,25.53 13.23,25.57 arc(13.2,25.59) 13.16,25.6 13.04,25.6 arc(13,25.59) 12.97,25.57 12.83,25.43 12.47,25.43 11.89,26.01 11.89,26.03 11.62,26.3 11.6,26.3 9.73,28.17 arc(9.71,28.2) 9.7,28.24 9.7,30.16 arc(9.71,30.2) 9.73,30.23 10.07,30.57 arc(10.09,30.6) 10.1,30.64 v1(10.1,30.8) ; v1(13.3,13.2) 11.14,13.2 arc(11.1,13.21) 11.07,13.23 8.73,15.57 arc(8.7,15.59) 8.66,15.6 v1(7.7,15.6)
/fpga_ddr/DRAM_ADDR4: length 34.3
  Top w0.127: v1(12.5,15.2) 12.13,15.57 arc(12.1,15.59) 12.06,15.6 10.94,15.6 arc(10.9,15.59) 10.87,15.57 10.5,15.2 ; v1(17.3,15.2) v1(17.3,20)
  Top w0.15: 12.1,31.2 v1(12.5,30.8)
  Bottom w0.127: v1(12.5,15.2) v1(17.3,15.2) ; v1(12.5,30.8) 13.27,30.03 arc(13.3,30.01) 13.34,30 14.06,30 arc(14.1,29.99) 14.13,29.97 16.07,28.03 arc(16.09,28) 16.1,27.96 16.1,22.04 arc(16.11,22) 16.13,21.97 16.17,21.93 arc(16.2,21.91) 16.24,21.9 16.36,21.9 arc(16.4,21.91) 16.43,21.93 16.47,21.97 arc(16.49,22) 16.5,22.04 16.5,25.96 arc(16.51,26) 16.53,26.03 16.57,26.07 arc(16.6,26.09) 16.64,26.1 16.76,26.1 arc(16.8,26.09) 16.83,26.07 16.87,26.03 arc(16.89,26) 16.9,25.96 16.9,21.64 arc(16.91,21.6) 16.93,21.57 17.27,21.23 arc(17.29,21.2) 17.3,21.16 v1(17.3,20)
